# Altium PCB higgs.PcbDoc (part 16 of 25)
Units mm, origin at the board's own origin, x right, y up, seen from the top; angles counter-clockwise.
Board outline 160 x 160 mm, 15 copper layers (TOP, P1(GND), S1(V), P2(GND), S2(H), P3(GND), S3(V12/V2V5), S4(VDDR), P4(GND), S5(V), P5(GND), S6(H), P6(GND), P1(GND) (Plane1), BOT), stack 3.262 mm thick; 1283 components, 2419 nets, 11066 pads, 5487 vias.
Unrouted connection lines stored in the file: 239.
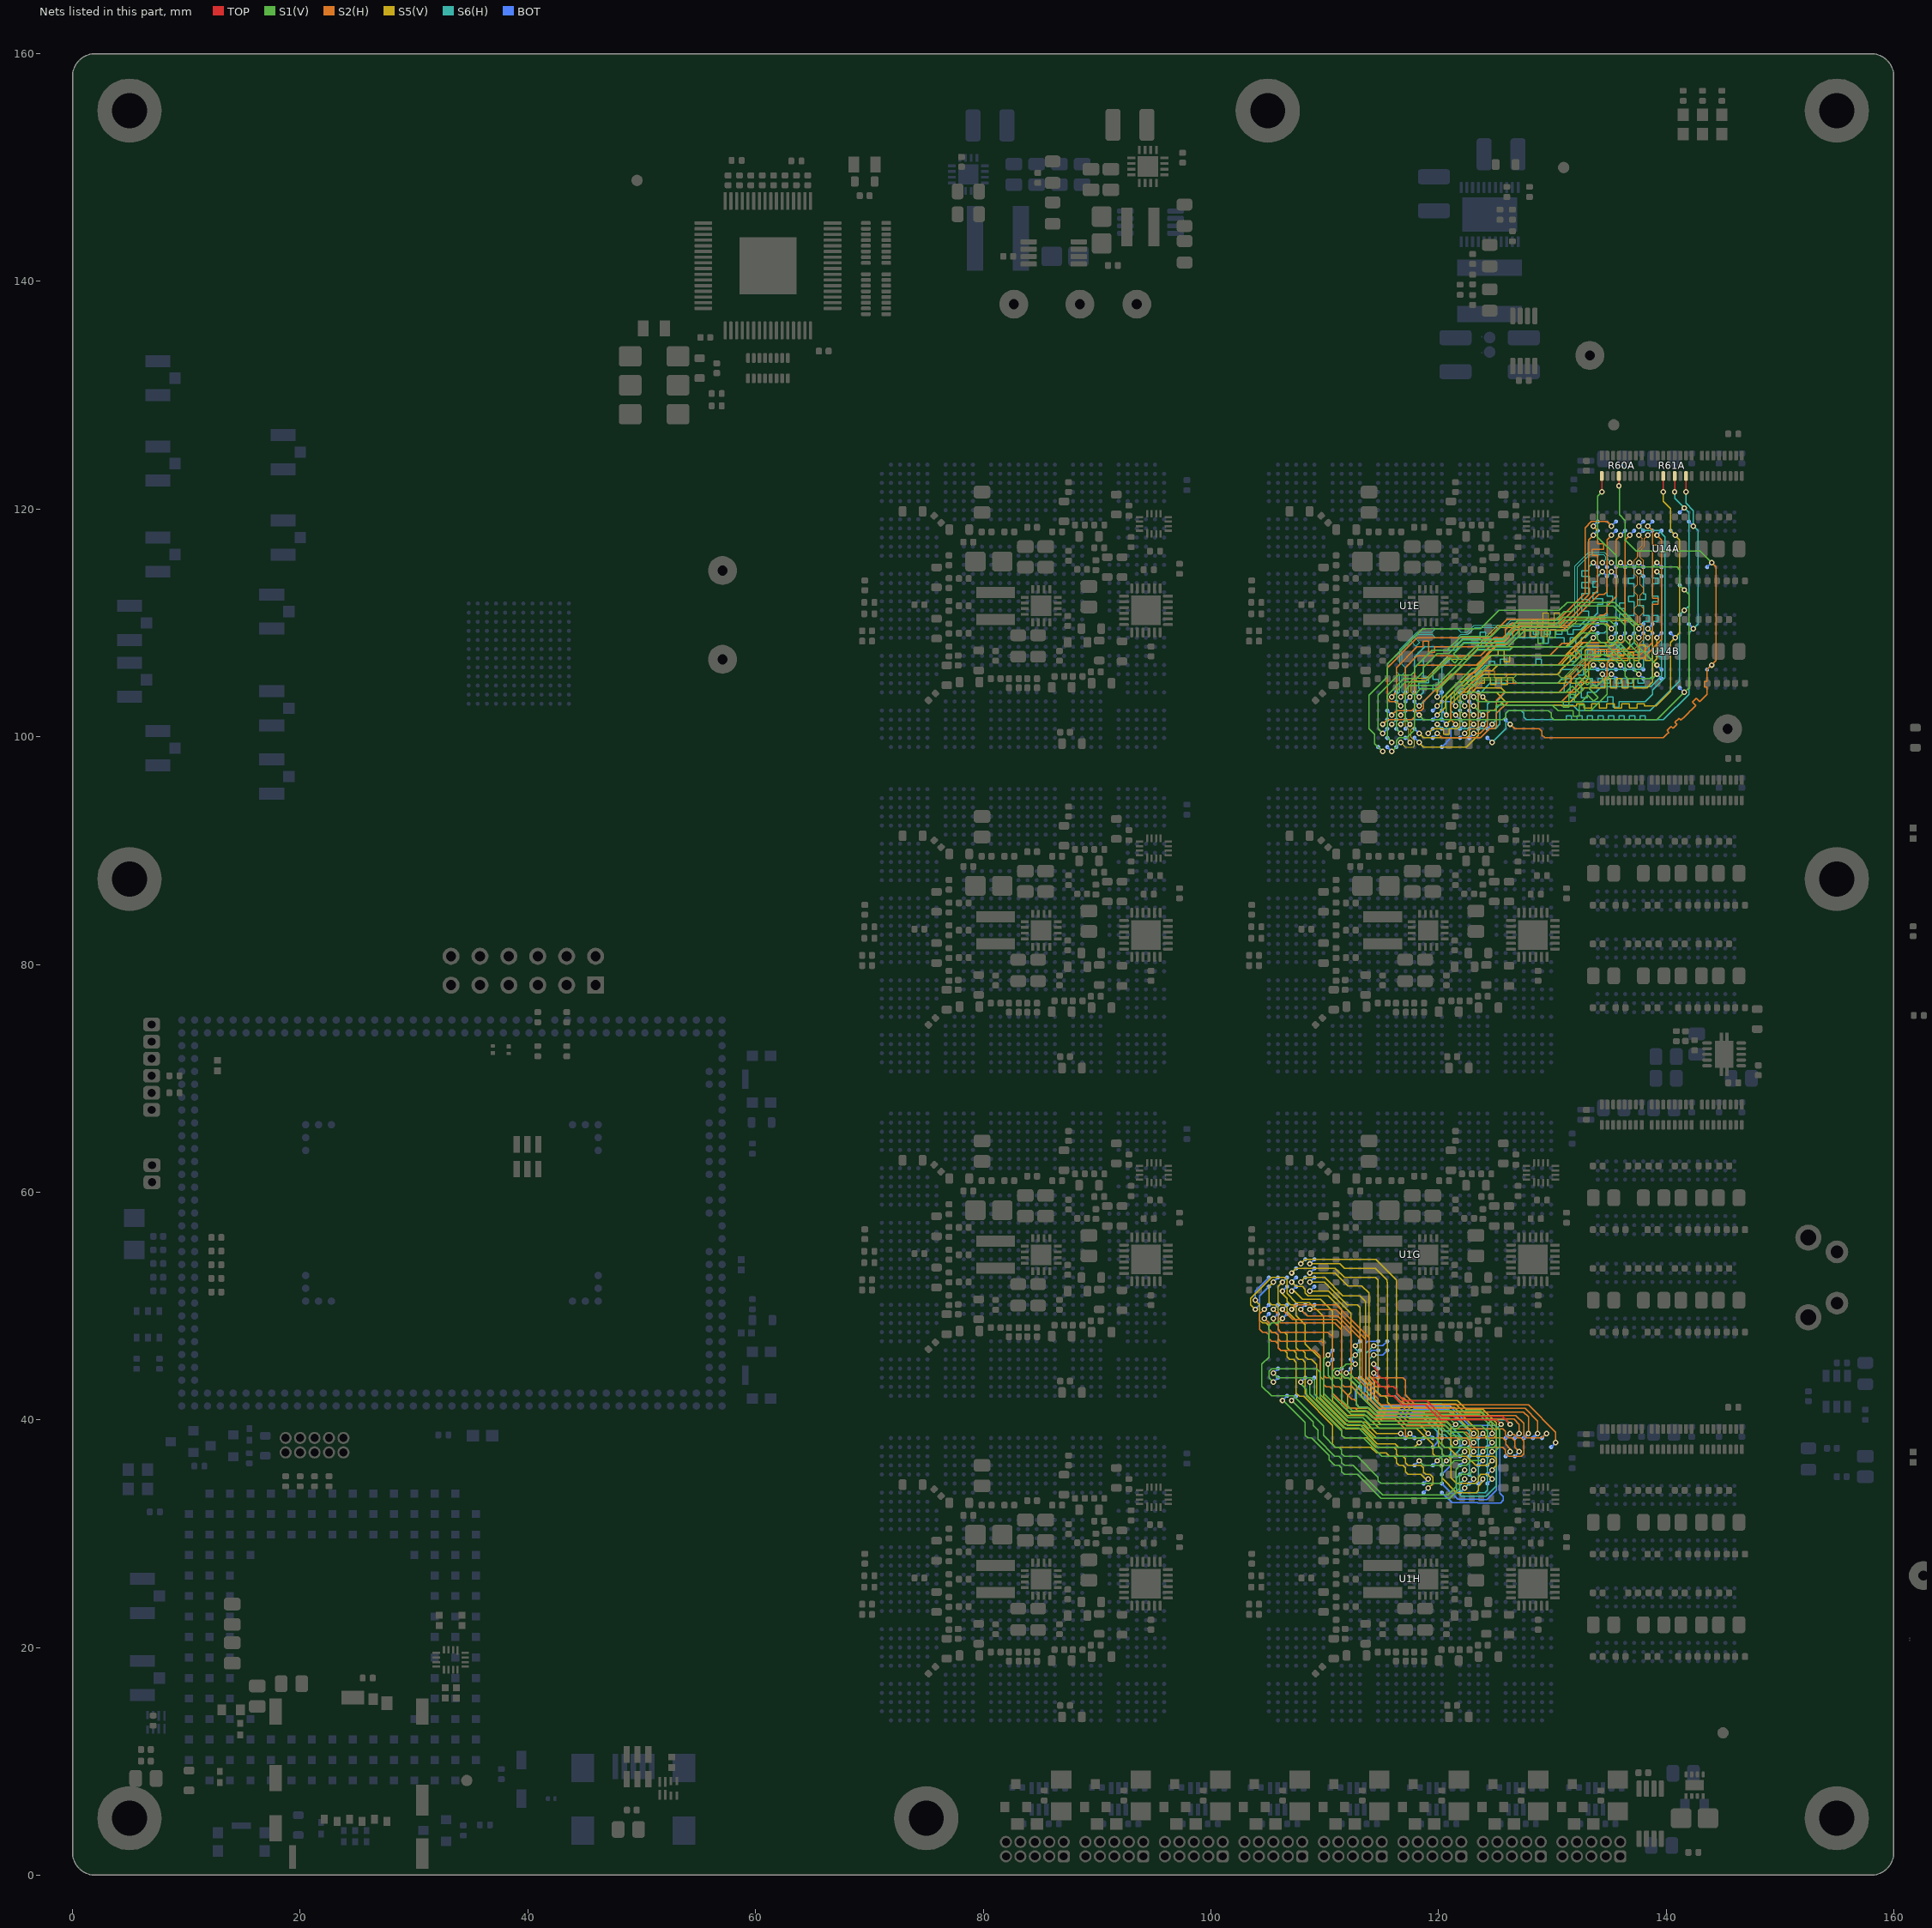
[diagram p29: the nets of this part, all layers, seen from the top]

## Via types
v1: diameter 0.483, hole 0.254, TOP to BOT, tented both sides, 5146 vias
v2: diameter 0.457, hole 0.254, TOP to BOT, tented both sides, 278 vias
v3: diameter 0.5, hole 0.25, TOP to BOT, 50 vias
v4: diameter 0.483/0/0/0/0.483/0/0/0.483 (per signal layer), hole 0.254, TOP to BOT, tented both sides, 7 vias
v5: diameter 0.483, hole 0.254, TOP to BOT, tented bottom, 5 vias
v6: diameter 0.483, hole 0.254, TOP to BOT, 1 vias

## Nets (pads, with @x,y where several pads share a name; then routed paths per layer and width w, separated by ;. In a path a pad name is that pad's centre, name@x,y a point inside that pad or via, vN(x,y) a via of type N, cw(c..) or ccw(c..) an arc to the next point about the centre after c; other vN are vias at no path point) (continued)
IL12_32.LR.G2.D1_P: U1G.K28 U1H.Y5 | length 21.7
  S1(V) w0.102: v1(112.7,44.9) 111.9,44.9 111.501,44.501 110.936,44.501 110.701,44.265 110.701,43.935 110.936,43.699 111.265,43.699 111.499,43.465 111.499,41.736 112.439,40.796 113.606,40.796 114.212,40.19 120.91,40.19 v1(121.5,39.6)
  BOT w0.102: U1G.K28@112.3,45.3 v1(112.7,44.9) ; U1H.Y5@120.3,35.2 121.1,36 121.1,39.2 v1(121.5,39.6)
IL12_32.LR.G2.D2_N: U1G.N26 U1H.Y6 | length 29.4
  BOT w0.102: U1G.N26@114.7,46.9 113.8,46.9 113.596,46.696 113.596,43.808 113.995,43.409 113.995,41.808 114.894,40.91 120.89,40.91 122.601,39.199 124.865,39.199 125.099,38.965 125.099,33.834 124.271,33.006 123.6,33.006 123.595,33.011 121.689,33.011 U1H.Y6@120.3,34.4
IL12_32.LR.G2.D2_P: U1G.N27 U1H.Y7 | length 29.4
  BOT w0.102: U1G.N27@114.7,46.1 114.136,46.1 113.901,45.865 113.901,43.935 114.3,43.535 114.3,41.934 115.02,41.214 121.017,41.214 122.727,39.504 124.992,39.504 125.404,39.092 125.404,33.561 125.699,33.265 125.699,32.935 125.465,32.701 123.474,32.701 123.468,32.706 121.194,32.706 U1H.Y7@120.3,33.6
IL12_32.LR.G2.D3_N: U1G.P26 U1H.AC6 | length 20.6
  S6(H) w0.102: v1(114.3,46.5) 113.596,45.796 113.596,42.535 115.026,41.105 119.391,41.105 122.096,38.399 122.465,38.399 122.699,38.165 122.699,35.201 v1(123.1,34.8)
  BOT w0.102: v1(114.3,46.5) 115.1,46.5 U1G.P26@115.5,46.9 ; U1H.AC6@122.7,34.4 v1(123.1,34.8)
IL12_32.LR.G2.D3_P: U1G.P27 U1H.AB7 | length 21.5
  S6(H) w0.102: v1(114.3,45.7) 113.901,45.301 113.901,43.135 114.935,42.101 116.2,42.101 116.891,41.41 120.255,41.41 122.701,38.964 122.701,38.635 122.935,38.401 123.265,38.401 123.499,38.167 123.499,34.635 123.265,34.401 122.701,34.401 v1(122.3,34)
  BOT w0.102: v1(114.3,45.7) 115.1,45.7 U1G.P27@115.5,46.1 ; U1H.AB7@121.9,33.6 v1(122.3,34)
IL12_32.LR.G2.D4_N: U1G.L27 U1H.W4 | length 17.4
  S6(H) w0.102: v1(112.7,45.7) 112.299,45.299 112.299,42.97 114.774,40.495 118.4,40.495 120.2,38.695 120.569,38.695 121.099,38.165 121.099,37.035 120.865,36.801 120.301,36.801 v1(119.9,36.4)
  BOT w0.102: v1(112.7,45.7) U1G.L27@113.1,46.1 ; U1H.W4@119.5,36 v1(119.9,36.4)
IL12_32.LR.G2.D4_P: U1G.L26 U1H.Y4 | length 18.2
  S6(H) w0.102: v1(112.7,46.5) 112.7,46.264 113.099,45.865 113.099,42.601 114.9,40.8 118.527,40.8 120.327,39 121.064,39 121.899,38.165 121.899,37.404 120.895,36.4 v1(120.7,36.4)
  BOT w0.102: v1(112.7,46.5) U1G.L26@113.1,46.9 ; U1H.Y4@120.3,36 v1(120.7,36.4)
IL12_32.LR.G2.S_N: U1G.N29 U1H.AB6 | length 27.9
  TOP w0.102: v1(114.3,44.9) 114.3,44.664 114.699,44.265 114.699,43.937 114.935,43.701 115.264,43.701 115.5,43.464 115.5,43.136 115.736,42.899 116.065,42.899 116.299,42.665 116.299,42.336 116.998,41.638 118.982,41.638 120.316,40.304 125.614,40.304 v1@126.309,39.609
  S6(H) w0.102: v1(122.3,34.8) 121.901,34.401 121.901,33.835 122.136,33.6 124.064,33.6 124.299,33.835 124.299,39.599 124.699,39.999 125.901,39.999 v1(126.3,39.6)
  BOT w0.102: v1(114.3,44.9) U1G.N29@114.7,44.5 ; U1H.AB6@121.9,34.4 v1(122.3,34.8)
IL12_32.LR.G2.S_P: U1G.N30 U1H.AB5 | length 26.5
  TOP w0.102: v1(114.3,44.1) 114.3,43.536 114.935,42.901 115.264,42.901 115.499,42.665 115.499,42.336 115.735,42.101 116.064,42.101 116.832,41.333 118.856,41.333 120.19,39.999 125.118,39.999 v1@125.509,39.609
  S6(H) w0.102: v1(122.3,35.6) 121.596,34.896 121.596,33.708 122.009,33.295 124.191,33.295 125.099,34.204 125.099,39.199 v1(125.5,39.6)
  BOT w0.102: v1(114.3,44.1) U1G.N30@114.7,43.7 ; U1H.AB5@121.9,35.2 v1(122.3,35.6)
IL12_32.LR.G3.D0_N: U1G.E30 U1H.AB4 | length 19.5
  S1(V) w0.102: v1(107.9,43.3) 107.9,43.18 108.395,42.685 108.395,42.116 111.501,39.01 111.501,38.635 111.736,38.4 113.416,38.4 115.017,36.799 120.065,36.799 120.301,36.564 120.301,36.235 120.535,36.001 121,36.001 121.399,36.4 v1(122.3,36.4)
  BOT w0.102: v1(107.9,43.3) U1G.E30@108.3,43.7 ; U1H.AB4@121.9,36 v1(122.3,36.4)
IL12_32.LR.G3.D0_P: U1G.F30 U1H.AB3 | length 18.4
  S1(V) w0.102: v1(108.7,43.3) 108.7,42.242 111.67,39.272 112.975,39.272 114.647,37.6 120.105,37.6 120.299,37.405 120.299,37.3 120.301,37.298 120.301,37.035 120.535,36.801 120.998,36.801 121,36.799 121.899,36.799 v1(122.3,37.2)
  BOT w0.102: v1(108.7,43.3) U1G.F30@109.1,43.7 ; U1H.AB3@121.9,36.8 v1(122.3,37.2)
IL12_32.LR.G3.D1_N: U1G.D32 U1H.AD4 | length 24.3
  S1(V) w0.102: v1(107.099,41.699) 108.998,39.8 108.998,39.497 109.404,39.092 109.404,38.292 110.896,36.799 111.265,36.799 111.499,36.565 111.499,36.302 111.501,36.3 111.501,36.235 111.735,36.001 112.495,36.001 115.091,33.405 120.83,33.405 121.532,34.107 121.532,35.63 121.901,35.999 122.464,35.999 122.864,36.4 v1(123.9,36.4)
  BOT w0.102: v1(107.099,41.699) U1G.D32@107.5,42.1 ; U1H.AD4@123.5,36 v1(123.9,36.4)
IL12_32.LR.G3.D1_P: U1G.C32 U1H.AC5 | length 24.2
  S1(V) w0.102: v1@106.299,41.699 106.365,41.699 108.299,39.765 108.299,38.636 108.536,38.399 108.865,38.399 110.394,36.87 110.394,36.501 110.895,36 111.264,36 111.501,35.764 111.501,35.435 111.735,35.201 112.864,35.201 114.964,33.1 120.975,33.1 121.837,33.962 121.837,35.038 121.998,35.199 122.699,35.199 v1(123.1,35.6)
  BOT w0.102: v1@106.299,41.699 U1G.C32@106.7,42.1 ; U1H.AC5@122.7,35.2 v1(123.1,35.6)
  other v1: 106.3,41.7
IL12_32.LR.G3.D2_N: U1G.L30 U1H.Y1 | length 10.6
  BOT w0.102: U1G.L30@113.1,43.7 113.5,43.3 113.5,42 113.691,41.809 113.691,41.609 114.695,40.605 118.695,40.605 120.3,39 U1H.Y1@120.3,38.4
IL12_32.LR.G3.D2_P: U1G.L31 U1H.W2 | length 11.4
  BOT w0.102: U1G.L31@113.1,42.9 112.7,42.5 112.7,41.9 112.795,41.805 112.795,41.569 112.799,41.565 112.799,41.336 113.035,41.101 113.768,41.101 114.569,40.3 118.569,40.3 119.9,38.969 119.9,38 U1H.W2@119.5,37.6
IL12_32.LR.G3.D3_N: U1G.K29 U1H.AE3 | length 19.6
  S1(V) w0.102: v1(111.9,44.1) 112.136,44.1 113.264,42.971 113.264,42 114.464,40.8 123.695,40.8 125.404,39.092 125.404,37.668 124.936,37.2 v1(124.7,37.2)
  BOT w0.102: v1(111.9,44.1) U1G.K29@112.3,44.5 ; U1H.AE3@124.3,36.8 v1(124.7,37.2)
IL12_32.LR.G3.D3_P: U1G.J29 U1H.AD3 | length 20.9
  S1(V) w0.102: v1(111.1,44.1) 111.336,44.1 111.736,43.7 112.105,43.7 112.799,43.005 112.799,41.3 112.998,41.101 113.732,41.101 114.338,40.495 123.569,40.495 125.099,38.965 125.099,37.835 124.864,37.6 124.3,37.6 v1(123.9,37.2) v1@123.9,37.202
  BOT w0.102: v1(111.1,44.1) U1G.J29@111.5,44.5 ; U1H.AD3@123.5,36.8 v1(123.9,37.2)
IL12_32.LR.G3.D4_N: U1G.H28 U1H.AE2 | length 20.3
  S1(V) w0.102: v1(110.3,44.9) 110.3,43.864 110.699,43.465 110.699,42.105 112.313,40.491 113.48,40.491 114.086,39.886 120.65,39.886 121.335,39.201 121.665,39.201 121.937,39.472 123.792,39.472 124.299,38.965 124.299,38.801 124.301,38.799 124.301,38.401 124.7,38.002 v1(124.7,38)
  BOT w0.102: v1(110.3,44.9) U1G.H28@110.7,45.3 ; U1H.AE2@124.3,37.6 v1(124.7,38)
IL12_32.LR.G3.D4_P: U1G.H27 U1H.AC2 | length 19.7
  S1(V) w0.102: v1(110.3,45.7) 109.901,45.301 109.901,42.335 112.049,40.187 113.354,40.187 113.959,39.581 120.524,39.581 121.208,38.896 122.204,38.896 v1(123.1,38)
  BOT w0.102: v1(110.3,45.7) U1G.H27@110.7,46.1 ; U1H.AC2@122.7,37.6 v1(123.1,38)
IL12_32.LR.G3.S_N: U1G.B30 U1H.AB2 | length 23.4
  S1(V) w0.102: v1(105.5,43.3) 105.101,43.699 105.101,44.265 105.335,44.499 106.299,44.499 106.3,44.5 109.292,44.5 109.596,44.196 109.596,42.208 111.923,39.882 113.227,39.882 113.833,39.276 120.397,39.276 121.082,38.591 121.709,38.591 v1(122.3,38)
  BOT w0.102: v1(105.5,43.3) U1G.B30@105.9,43.7 ; U1H.AB2@121.9,37.6 v1(122.3,38)
IL12_32.LR.G3.S_P: U1G.B29 U1H.AC3 | length 22.3
  S1(V) w0.102: v1(105.5,44.1) 105.9,43.7 108.864,43.7 109.099,43.465 109.099,42.274 111.797,39.577 113.101,39.577 114.277,38.401 119.735,38.401 120.535,37.601 120.798,37.601 120.8,37.599 122.701,37.599 v1(123.1,37.2)
  BOT w0.102: v1(105.5,44.1) U1G.B29@105.9,44.5 ; U1H.AC3@122.7,36.8 v1(123.1,37.2)
IL12_32.TB.G8.D0_N: U1G.B22 U1H.AH1 | length 30.4
  S2(H) w0.102: v1(105.5,49.7) 105.901,49.299 105.901,48.735 106.136,48.5 110.9,48.5 111.5,47.9 111.5,43.936 111.735,43.701 112.064,43.701 114.768,40.996 115.873,40.996 115.874,40.995 116.567,40.995 117.48,40.082 126.618,40.082 127.1,39.6 v1(127.1,38.8)
  BOT w0.102: v1(105.5,49.7) U1G.B22@105.9,50.1
  BOT w0.254: U1H.AH1@126.7,38.4 v1(127.1,38.8)
IL12_32.TB.G8.D0_P: U1G.A22 U1H.AG1 | length 36.1
  S2(H) w0.102: v1(104.7,49.7) 104.3,49.3 104.3,47.936 104.536,47.699 104.865,47.699 105.099,47.465 105.099,47.136 105.336,46.899 105.665,46.899 105.899,46.665 105.899,46.601 105.901,46.599 105.901,46.335 106.135,46.101 109.095,46.101 109.596,45.6 109.596,43.808 109.901,43.504 109.901,43.135 110.136,42.899 110.465,42.899 110.699,42.665 110.699,42.336 112.035,41.001 112.704,41.001 112.908,40.796 113.675,40.796 114.39,40.082 115.3,40.082 115.301,40.081 116.188,40.081 117.1,39.169 117.1,38.867 117.101,38.866 117.101,38.635 117.335,38.401 117.599,38.401 117.6,38.4 121.8,38.4 122.465,38.399 122.699,38.165 122.699,37.902 122.701,37.9 122.701,37.835 122.935,37.601 123.735,37.601 123.736,37.599 125.665,37.599 125.899,37.365 125.899,37.101 125.901,37.099 125.901,37.035 126.135,36.801 127.265,36.801 127.499,37.035 127.499,38 127.499,38.165 127.265,38.399 126.936,38.399 126.631,38.705 126.395,38.705 v1(126.3,38.8)
  BOT w0.102: v1(104.7,49.7) U1G.A22@105.1,50.1
  BOT w0.254: U1H.AG1@125.9,38.4 v1(126.3,38.8)
IL12_32.TB.G8.D1_N: U1G.D22 U1H.AM2 | length 32.7
  S2(H) w0.102: v1(107.1,49.7) 107.499,50.099 111.025,50.099 113.901,47.223 113.901,46.4 113.901,44.9 113.901,44.265 113.901,43.935 114.135,43.701 116.864,43.701 117.099,43.465 117.099,42.187 117.985,41.301 127.899,41.301 130.3,38.9 v1(130.3,38)
  BOT w0.102: v1(107.1,49.7) U1G.D22@107.5,50.1 ; U1H.AM2@129.9,37.6 v1(130.3,38)
IL12_32.TB.G8.D1_P: U1G.C22 U1H.AL1 | length 32.1
  S2(H) w0.102: v1(106.3,49.7) 107.195,48.805 111.026,48.805 112.3,47.531 112.3,43.936 112.535,43.701 112.842,43.701 114.701,41.842 114.701,41.535 114.935,41.301 115.999,41.301 116,41.3 116.693,41.3 117.607,40.387 126.8,40.387 127.5,39.687 127.5,38.8 127.501,38.799 127.501,38.635 127.736,38.4 129.1,38.4 v1(129.5,38.8)
  BOT w0.102: v1(106.3,49.7) U1G.C22@106.7,50.1 ; U1H.AL1@129.1,38.4 v1(129.5,38.8)
IL12_32.TB.G8.D2_N: U1G.F22 U1H.AK1 | length 28.4
  S2(H) w0.102: v1(108.7,49.7) 110.993,49.7 113.596,47.097 113.596,43.808 114.504,42.901 116.064,42.901 116.299,42.665 116.299,42.337 116.726,41.91 116.946,41.91 117.859,40.996 127.604,40.996 128.7,39.9 v1(128.7,38.8)
  BOT w0.102: v1(108.7,49.7) U1G.F22@109.1,50.1
  BOT w0.254: U1H.AK1@128.3,38.4 v1(128.7,38.8)
IL12_32.TB.G8.D2_P: U1G.E22 U1H.AJ1 | length 28.4
  S2(H) w0.102: v1(107.9,49.7) 108.49,49.11 111.153,49.11 113.291,46.971 113.291,43.682 114.873,42.101 116.104,42.101 116.6,41.605 116.819,41.605 117.733,40.691 127.478,40.691 127.9,40.269 v1(127.9,38.8)
  BOT w0.102: v1(107.9,49.7) U1G.E22@108.3,50.1
  BOT w0.254: U1H.AJ1@127.5,38.4 v1(127.9,38.8)
IL12_32.TB.G8.D3_N: U1G.B23 U1H.AH3 | length 30.6
  S2(H) w0.102: v1(105.5,48.9) 105.5,48.664 105.899,48.265 105.899,48.001 105.901,47.999 105.901,47.935 106.136,47.7 110.299,47.7 110.701,47.298 110.701,43.935 110.935,43.701 111.264,43.701 111.501,43.464 111.501,43.135 111.735,42.901 112.432,42.901 114.642,40.691 115.747,40.691 115.748,40.69 116.441,40.69 117.354,39.777 120.759,39.777 121.335,39.201 125.3,39.201 125.302,39.199 125.665,39.199 125.899,38.965 125.899,38.636 126.136,38.4 126.464,38.4 126.699,38.165 126.699,38.001 126.701,37.999 126.701,37.601 127.1,37.202 v1(127.1,37.2)
  BOT w0.102: v1(105.5,48.9) U1G.B23@105.9,49.3 ; U1H.AH3@126.7,36.8 v1(127.1,37.2)
IL12_32.TB.G8.D3_P: U1G.A23 U1H.AG3 | length 30.4
  S2(H) w0.102: v1(104.7,48.9) 105.099,48.501 105.099,47.936 105.336,47.699 105.665,47.699 105.901,47.464 105.901,47.135 106.135,46.901 109.699,46.901 109.901,46.699 109.901,44.265 109.901,43.935 110.136,43.699 110.465,43.699 110.699,43.465 110.699,43.136 110.935,42.901 111.304,42.901 112.405,41.799 112.565,41.799 112.799,41.565 112.799,41.336 113.035,41.101 113.801,41.101 114.516,40.387 115.62,40.387 115.621,40.386 116.314,40.386 117.228,39.472 120.632,39.472 121.208,38.896 122.439,38.896 122.936,38.4 125.6,38.4 ; 125.601,38.399 125.665,38.399 125.901,38.164 125.901,37.835 126.3,37.436 v1(126.3,37.2)
  BOT w0.102: v1(104.7,48.9) U1G.A23@105.1,49.3 ; U1H.AG3@125.9,36.8 v1(126.3,37.2)
IL12_32.TB.G13.C_N: U1G.F17 U1H.AE1 | length 29.6
  S5(V) w0.102: v1(108.7,53.7) 111.336,53.7 111.735,53.301 114.464,53.301 115.499,52.265 115.499,52.101 ; 115.5,52.1 115.5,42.336 115.735,42.101 115.999,42.101 116.001,42.099 116.065,42.099 116.769,41.395 121.527,41.395 122.327,40.595 123.8,40.595 124.7,39.695 v1(124.7,38.8)
  BOT w0.102: v1(108.7,53.7) U1G.F17@109.1,54.1 ; U1H.AE1@124.3,38.4 v1(124.7,38.8)
IL12_32.TB.G13.C_P: U1G.E17 U1H.AD1 | length 32.8
  S5(V) w0.102: v1(107.9,53.7) 108.3,54.1 114.5,54.1 116.299,52.301 116.299,42.336 116.936,41.7 121.653,41.7 122.453,40.9 123.926,40.9 125.099,39.727 125.099,38.635 124.865,38.401 124.299,38.401 v1(123.9,38.8)
  BOT w0.102: v1(107.9,53.7) U1G.E17@108.3,54.1 ; U1H.AD1@123.5,38.4 v1(123.9,38.8)
IL12_32.TB.G13.D0_N: U1G.F18 U1H.AC1 | length 26.5
  S5(V) w0.102: v1(108.7,52.9) 110.905,52.9 112.037,51.768 113.268,51.768 113.901,51.135 113.901,44.1 113.901,43.836 114.394,43.342 114.394,41.841 115.45,40.786 121.114,40.786 v1(123.1,38.8)
  BOT w0.102: v1(108.7,52.9) U1G.F18@109.1,53.3 ; U1H.AC1@122.7,38.4 v1(123.1,38.8)
IL12_32.TB.G13.D0_P: U1G.D18 U1H.AB1 | length 32.3
  S5(V) w0.102: v1(107.1,52.9) 107.102,52.9 107.501,53.299 107.899,53.299 ; 107.9,53.3 110.936,53.3 111.735,52.501 114.464,52.501 114.699,52.265 114.699,42.6 114.701,42.598 114.701,42.335 114.936,42.099 115.265,42.099 115.5,41.864 115.5,41.536 115.945,41.09 121.401,41.09 123.5,38.991 123.5,38.636 123.265,38.401 121.901,38.401 v1(121.5,38)
  BOT w0.102: v1(107.1,52.9) U1G.D18@107.5,53.3 ; v1(121.5,38) U1H.AB1@121.9,38.4
IL12_32.TB.G13.D1_N: U1G.B19 U1H.V7 | length 29.5
  S5(V) w0.102: v1(105.5,52.1) 105.101,51.701 105.101,50.335 105.336,50.099 105.665,50.099 105.899,49.865 105.899,49.701 105.901,49.699 105.901,47.935 106.135,47.701 106.464,47.701 106.701,47.464 106.701,46.335 106.935,46.101 107.098,46.101 107.1,46.099 107.265,46.099 107.501,45.864 107.501,45.535 107.736,45.299 108.065,45.299 108.301,45.064 108.301,42.344 111.499,39.146 111.499,38.636 111.736,38.4 113.695,38.4 114.496,37.599 116.065,37.599 116.299,37.365 116.299,37.035 116.28,37.016 116.496,36.799 116.865,36.799 117.099,36.565 117.099,36.236 117.336,35.999 118.465,35.999 118.699,35.765 118.699,35.401 118.9,35.2 119.264,35.2 119.499,34.965 119.499,34.399 v1(119.1,34)
  BOT w0.102: v1(105.5,52.1) U1G.B19@105.9,52.5 ; U1H.V7@118.7,33.6 v1(119.1,34)
IL12_32.TB.G13.D1_P: U1G.A19 U1H.V6 | length 29.6
  S5(V) w0.102: v1(103.9,50.5) 104.3,50.1 104.3,49.601 ; 104.301,49.6 104.301,48.735 104.536,48.499 104.865,48.499 105.101,48.264 105.101,47.935 105.335,47.701 105.664,47.701 105.899,47.465 105.899,46.336 106.135,46.101 106.464,46.101 106.7,45.864 106.7,45.7 ; 106.701,45.7 106.701,45.535 106.936,45.299 107.265,45.299 107.499,45.065 107.499,42.336 107.779,42.057 108.157,42.057 110.701,39.513 110.701,37.835 110.936,37.599 114.065,37.599 114.561,37.104 115.392,37.104 115.696,36.799 116.065,36.799 116.301,36.564 116.301,36.235 116.536,35.999 116.865,35.999 117.101,35.764 117.101,35.435 117.335,35.201 118.464,35.201 118.864,34.8 v1(119.1,34.8)
  BOT w0.102: v1(103.9,50.5) 103.9,51.3 U1G.A19@105.1,52.5 ; U1H.V6@118.7,34.4 v1(119.1,34.8)
IL12_32.TB.G13.D2_N: U1G.D19 U1H.W1 | length 23.8
  S5(V) w0.102: v1(107.1,52.1) 107.501,51.699 108.065,51.699 108.3,51.464 108.3,51.136 108.535,50.901 110.306,50.901 111.501,49.706 111.501,41.304 112.108,40.696 113.815,40.696 114.945,39.566 118.334,39.566 v1(119.1,38.8)
  BOT w0.102: v1(107.1,52.1) U1G.D19@107.5,52.5 ; v1(119.1,38.8) U1H.W1@119.5,38.4
IL12_32.TB.G13.D2_P: U1G.C19 U1H.V1 | length 24.5
  S5(V) w0.102: v1(106.3,52.1) 105.9,51.7 105.9,50.336 106.135,50.101 106.464,50.101 106.699,49.865 106.699,49.537 107.5,48.736 107.5,46.8 ; 107.501,46.799 107.501,46.335 107.735,46.101 108.064,46.101 108.299,45.865 108.299,45.7 108.301,45.698 108.301,45.535 108.536,45.299 108.865,45.299 109.291,44.873 109.291,41.785 111.877,39.199 113.327,39.199 114.623,37.904 116.192,37.904 116.495,37.601 117.901,37.601 v1(118.3,38)
  BOT w0.102: v1(106.3,52.1) U1G.C19@106.7,52.5 ; v1(118.3,38) U1H.V1@118.7,38.4
IL12_32.TB.G13.D3_N: U1G.F19 U1H.AE4 | length 29.4
  S5(V) w0.102: v1(108.7,52.1) 109.969,52.1 111.969,50.1 112.864,50.1 113.099,49.865 113.099,43.775 113.785,43.09 113.785,41.589 115.197,40.176 119.71,40.176 120.301,39.585 120.301,37.835 120.536,37.599 120.865,37.599 121.664,36.801 122.298,36.801 122.3,36.799 122.465,36.799 123.264,36.001 124.301,36.001 v1(124.7,36.4)
  BOT w0.102: v1(108.7,52.1) U1G.F19@109.1,52.5 ; U1H.AE4@124.3,36 v1(124.7,36.4)
IL12_32.TB.G13.D3_P: U1G.E19 U1H.AE5 | length 32.2
  S5(V) w0.102: v1(107.9,52.1) 108.299,52.499 110.001,52.499 111.599,50.901 113.095,50.901 113.596,50.4 113.596,43.709 114.09,43.216 114.09,41.715 115.324,40.481 120.119,40.481 121.1,39.5 121.1,37.836 121.336,37.599 122.465,37.599 122.699,37.365 122.699,37.2 122.701,37.198 122.701,37.035 122.935,36.801 123.217,36.801 123.218,36.8 124.3,36.8 124.301,36.799 124.865,36.799 125.099,36.565 125.099,35.999 v1(124.7,35.6)
  BOT w0.102: v1(107.9,52.1) U1G.E19@108.3,52.5 ; U1H.AE5@124.3,35.2 v1(124.7,35.6)
IL12_32.TB.G13.D4_N: U1G.C20 U1H.U1 | length 21.6
  S5(V) w0.102: v1(106.3,51.3) 106.3,51.064 106.699,50.665 106.699,50.401 107.001,50.099 107.265,50.099 107.499,49.865 107.499,49.168 108.299,48.368 108.299,48.001 ; 108.3,48 108.3,46.664 109.596,45.368 109.596,41.911 112.003,39.504 113.454,39.504 114.557,38.401 117.101,38.401 v1(117.5,38.8)
  BOT w0.102: v1(106.3,51.3) U1G.C20@106.7,51.7 ; v1(117.5,38.8) U1H.U1@117.9,38.4
IL12_32.TB.G13.D4_P: U1G.A20 U1H.T1 | length 28.6
  S5(V) w0.102: v1(103.9,49.7) 103.501,50.099 103.501,50.665 105.335,52.499 106.465,52.499 106.699,52.265 106.699,51.096 107.504,50.291 108.673,50.291 109.901,49.064 109.901,42.037 112.129,39.809 113.58,39.809 114.589,38.8 v1(116.7,38.8)
  BOT w0.102: v1(103.9,49.7) 104.3,50.1 104.3,50.9 U1G.A20@105.1,51.7 ; v1(116.7,38.8) U1H.T1@117.1,38.4
IL12_32.TB.G13.D5_N: U1G.F20 U1H.AE6 | length 32.2
  S5(V) w0.102: v1(108.7,51.3) 110.338,51.3 112.3,49.338 112.3,42.4 112.001,42.101 112.001,41.235 112.235,41.001 113.942,41.001 115.071,39.871 119.583,39.871 119.996,39.458 119.996,37.708 120.302,37.402 120.302,37.367 120.301,37.365 120.301,37.035 120.535,36.801 120.702,36.801 ; 120.702,36.799 120.865,36.799 121.099,36.565 121.099,34.901 121.599,34.401 123.265,34.401 123.499,34.635 123.499,34.964 123.735,35.199 124.098,35.199 124.1,35.201 124.299,35.201 v1(124.7,34.8)
  BOT w0.102: v1(108.7,51.3) U1G.F20@109.1,51.7 ; U1H.AE6@124.3,34.4 v1(124.7,34.8)
IL12_32.TB.G13.D5_P: U1G.D20 U1H.AD6 | length 32.2
  S5(V) w0.102: v1(107.1,51.3) 107.336,51.3 108.039,50.596 109.635,50.596 110.701,49.53 110.701,41.668 111.978,40.391 113.689,40.391 114.819,39.262 118.074,39.262 119.501,37.835 119.501,37.035 119.736,36.799 120.065,36.799 120.299,36.565 120.299,34.901 121.599,33.601 123.301,33.601 123.501,33.801 123.501,34.165 123.9,34.564 v1(123.9,34.8)
  BOT w0.102: v1(107.1,51.3) U1G.D20@107.5,51.7 ; U1H.AD6@123.5,34.4 v1(123.9,34.8)
IL12_32.TB.G13.D6: U1G.C23 U1H.U4 | length 32.5
  S1(V) w0.102: v1(106.3,48.9) 105.899,48.499 105.335,48.499 105.1,48.264 105.1,45.495 104.491,44.887 104.491,42.944 105.335,42.101 107.262,42.101 109.901,39.462 109.901,38.635 110.936,37.599 111.265,37.599 111.501,37.364 111.501,37.035 111.735,36.801 112.864,36.801 114.701,34.964 114.701,34.635 114.935,34.401 120.201,34.401 120.299,34.499 120.299,35.765 120.064,36 119.5,36 ; v1(118.3,36.4) 118.699,36.001 120.064,36.001